# Altium PCB Holberton.PcbDoc (part 1 of 6) (continued)
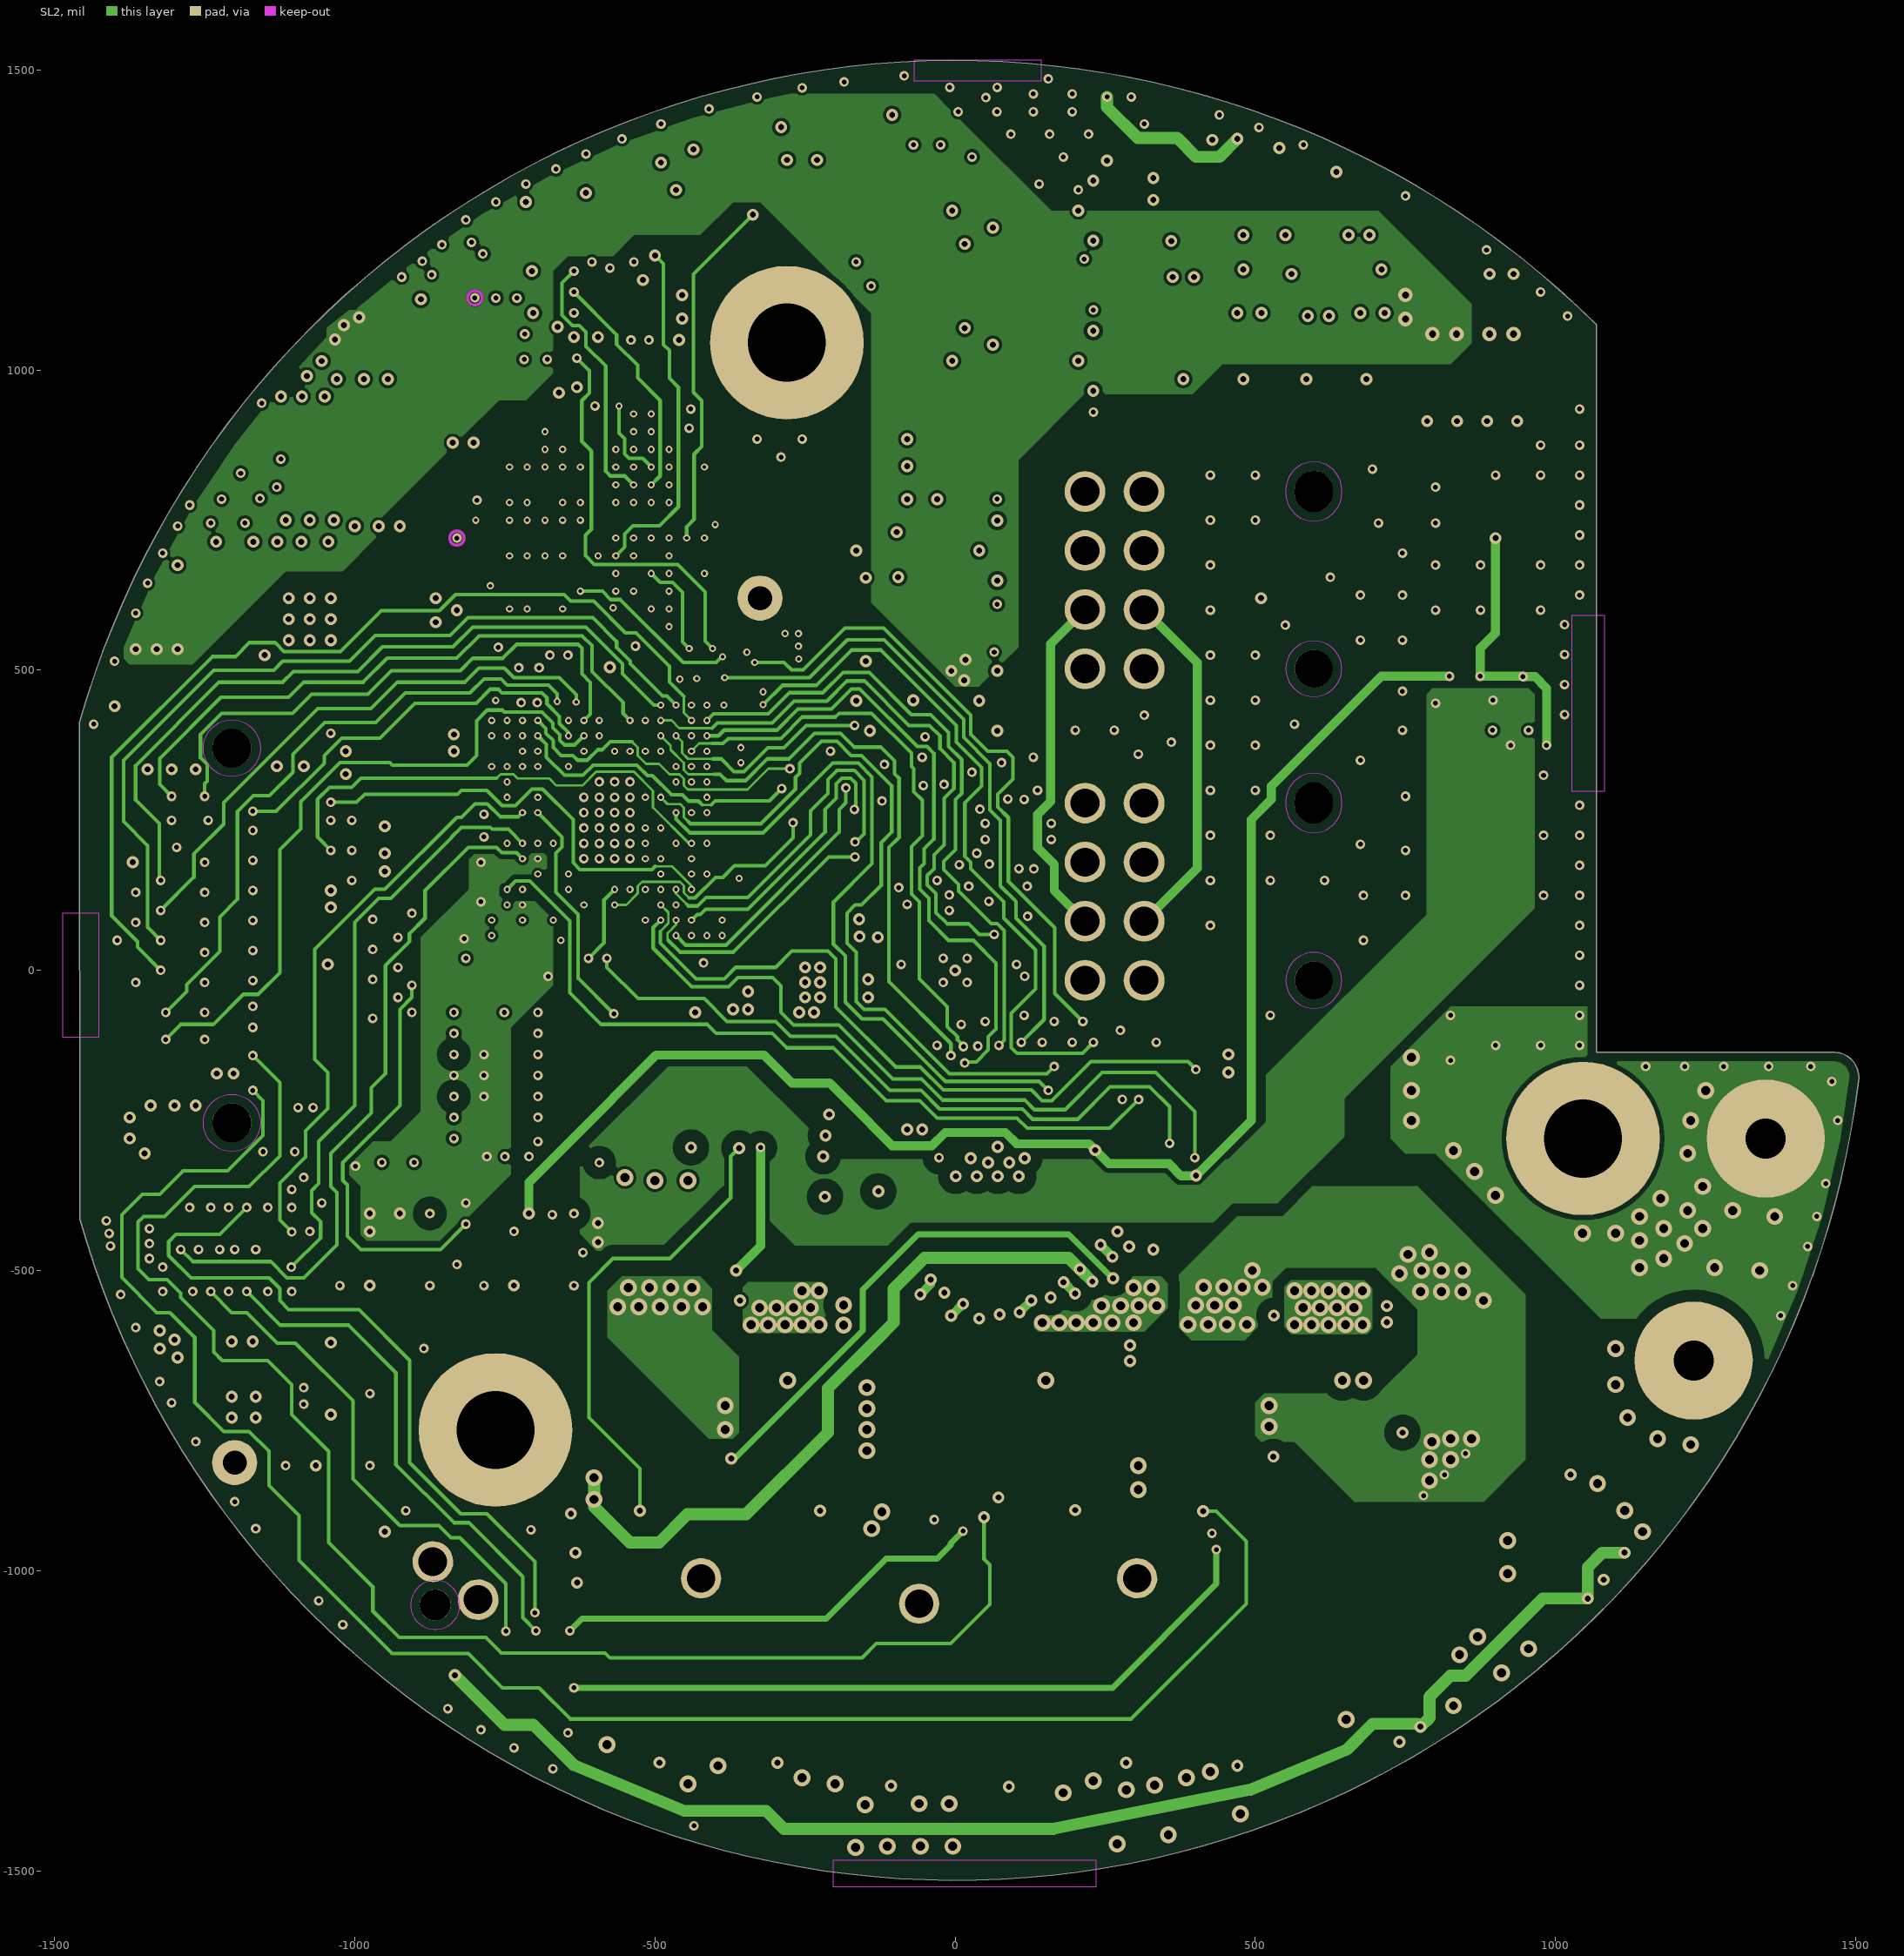
[diagram p4: SL2]
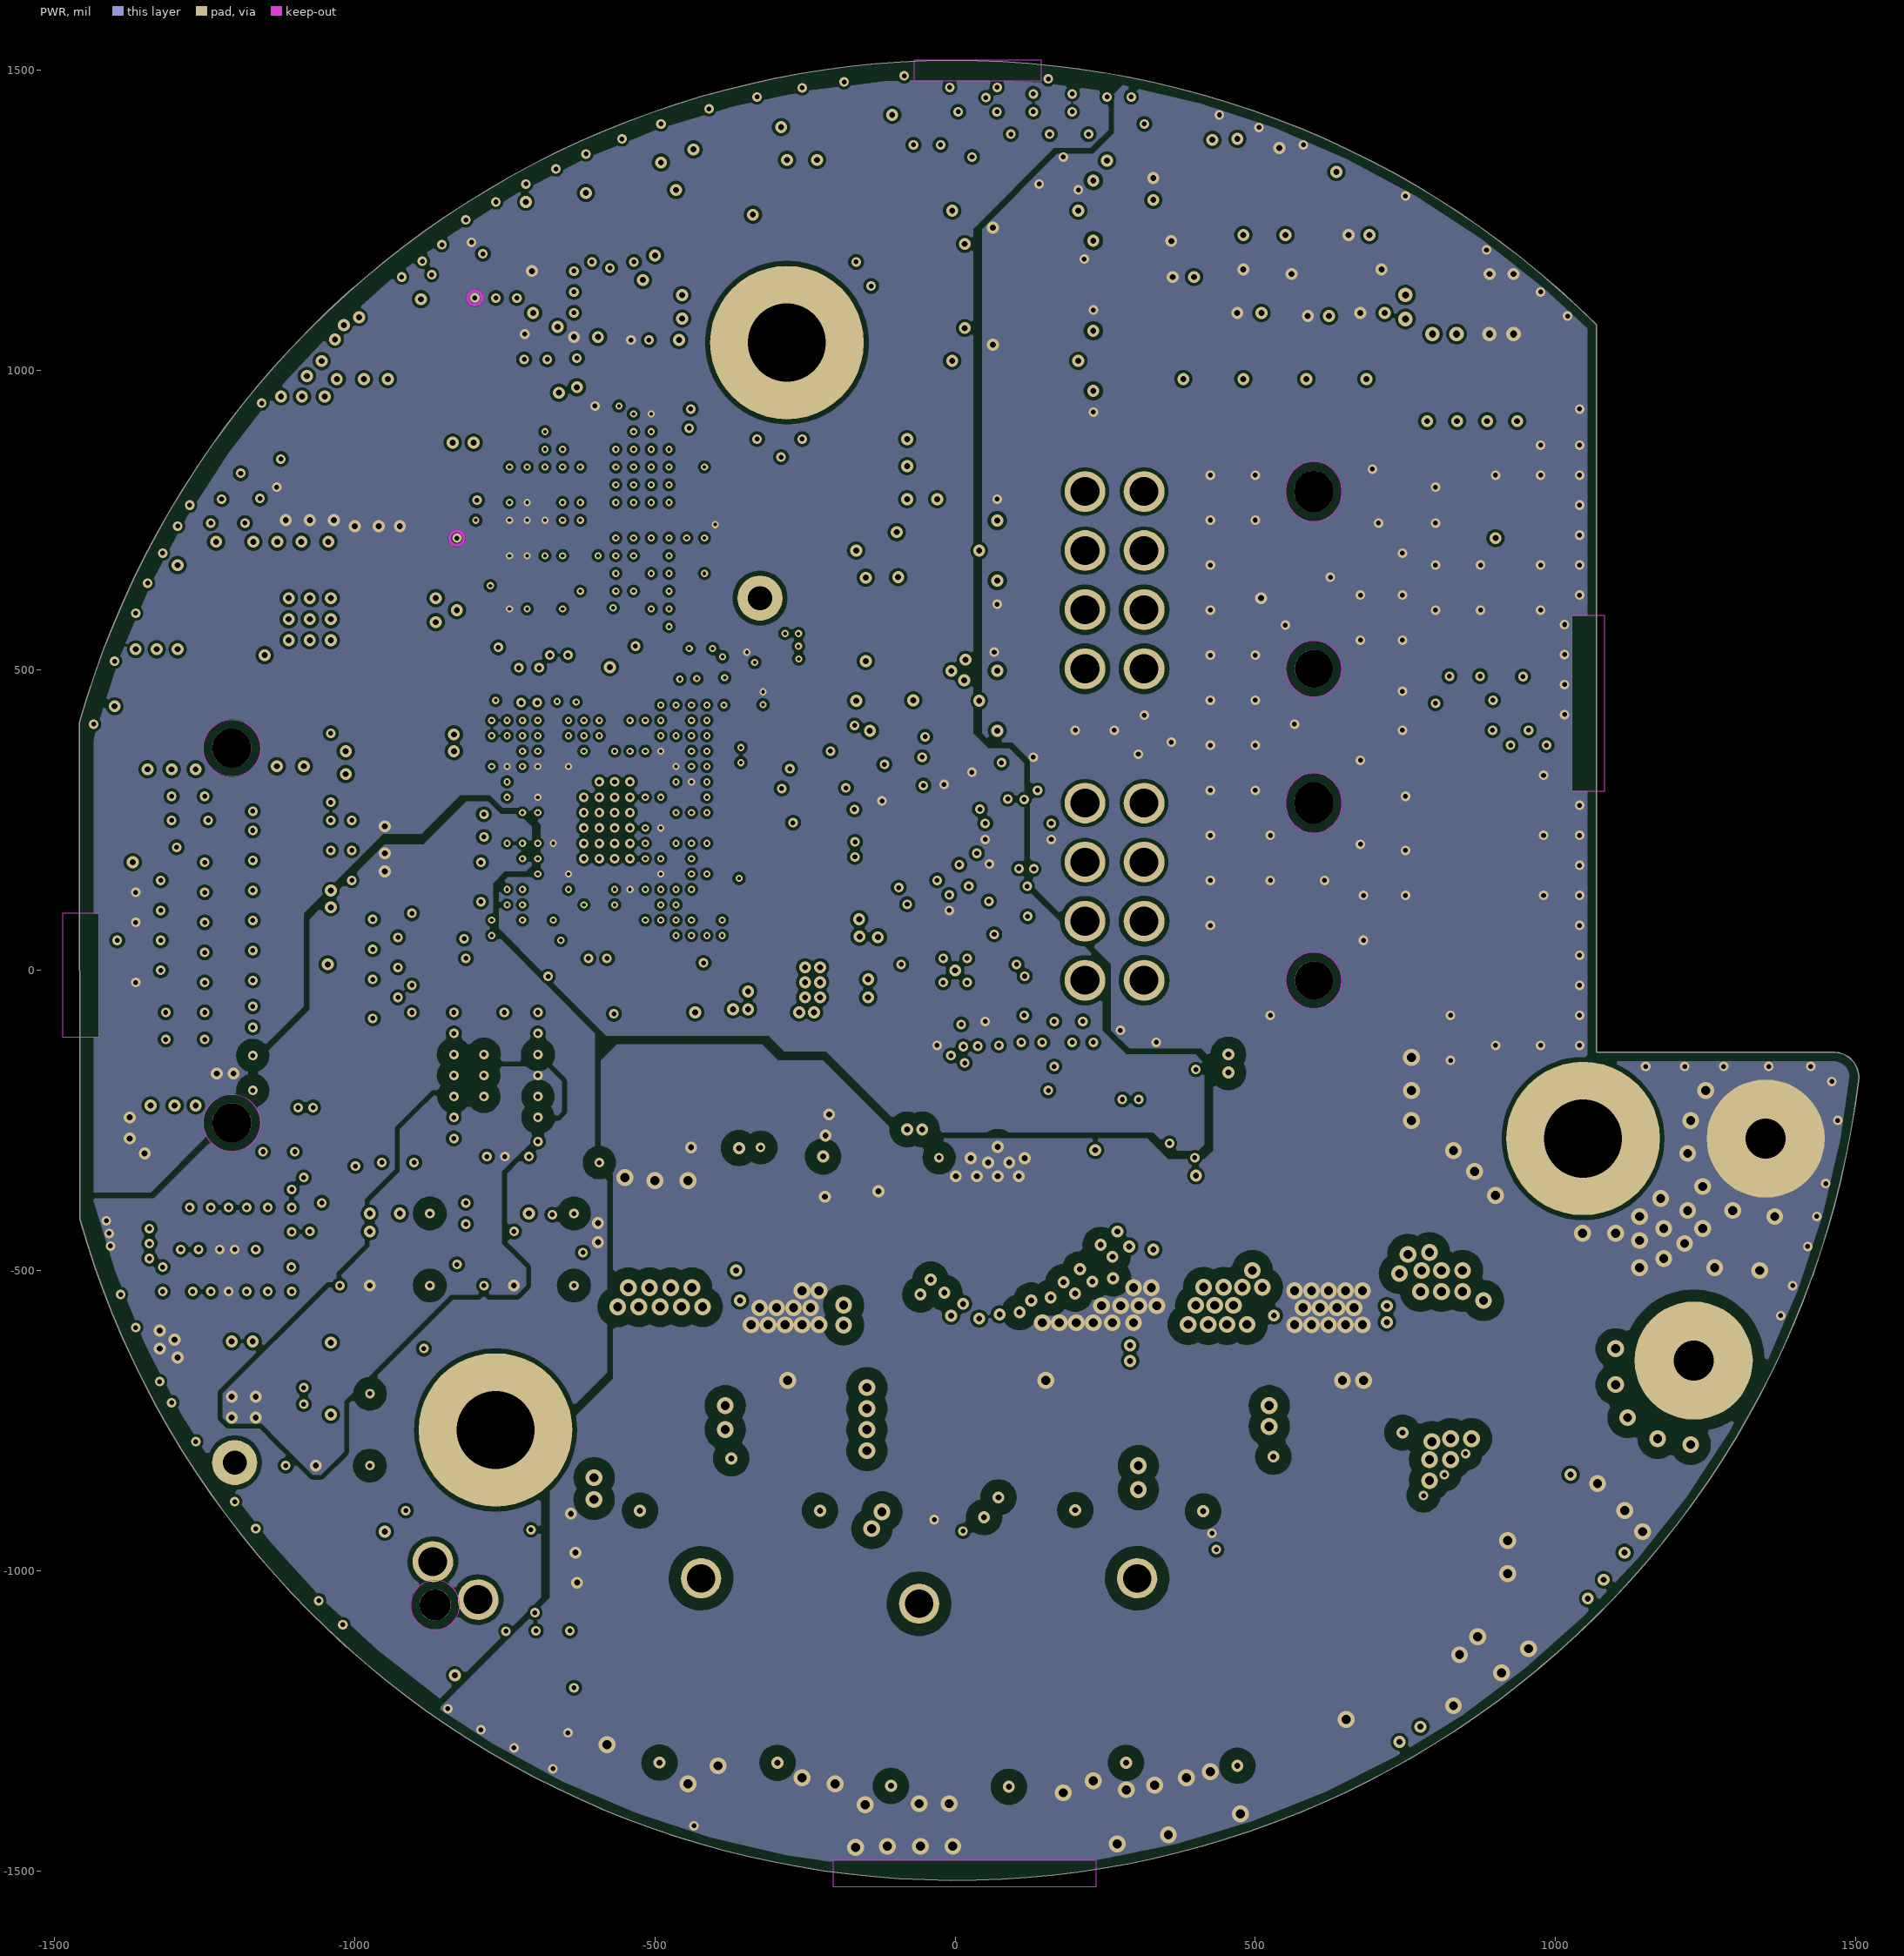
[diagram p5: PWR]
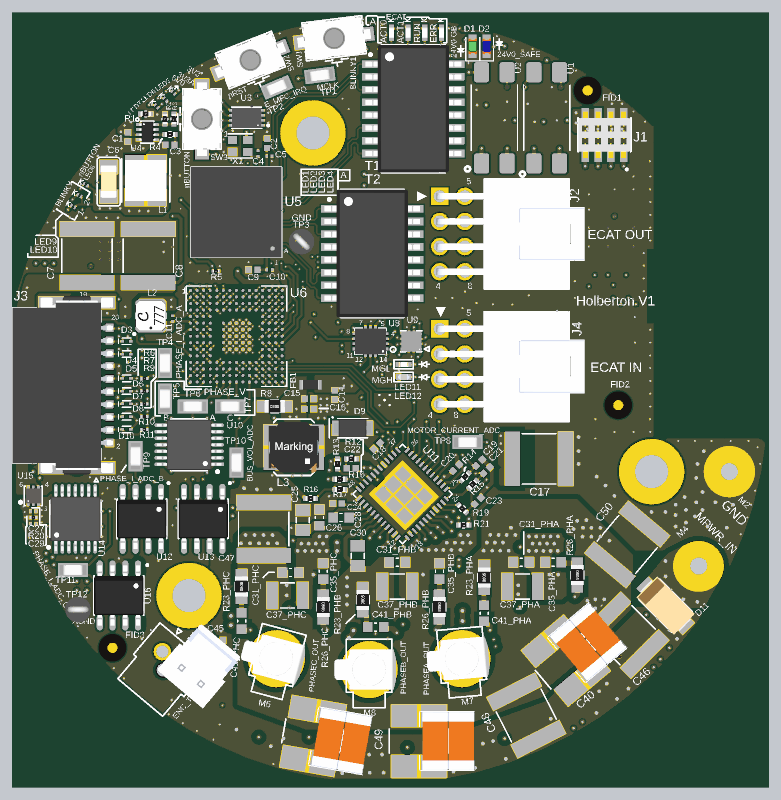
[diagram p11: 3D render of the assembled board from above, using the file's embedded part models]
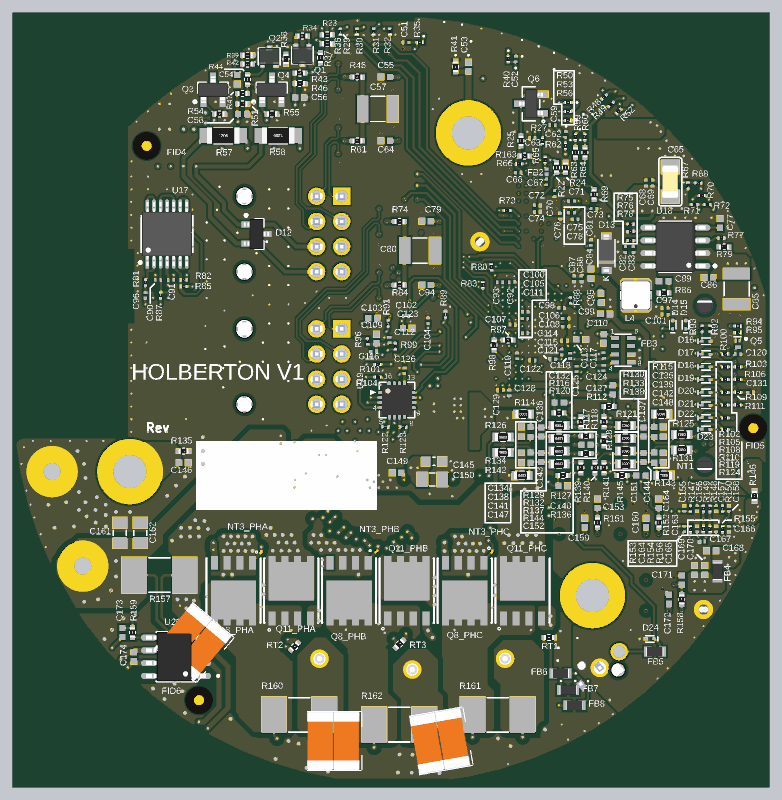
[diagram p12: 3D render of the assembled board from below, using the file's embedded part models]

## Layer stack, top to bottom
Top Solder: solder mask 0.8, Solder Resist, Dk 3.5
Top Layer: signal copper 1.8
Dielectric1: prepreg 4.58, 370HR, Dk 4.04
GND: signal copper 0.689
Dielectric2: core 5, 370HR, Dk 4.04
SL1: signal copper 0.689
Dielectric4: core 5, 370HR, Dk 4.04
SL2: signal copper 0.689
Dielectric6: core 5, 370HR, Dk 4.04
PWR: signal copper 0.689
Dielectric7: prepreg 4.58, 370HR, Dk 4.04
Bottom Layer: signal copper 1.8
Bottom Solder: solder mask 0.8, Solder Resist, Dk 3.5

## Board outline
-1457.99,-414.43 ccw(c0,0) 1505.02,-180 1505,-180 ccw(c1463.21,-178.21) 1465,-136.42 1067.73,-136.42 1067.73,1075.79 1067.79,1075.79 ccw(c0,0) -1458.36,413.12

## Design rules (kind name [scope] priority, off if disabled: settings)
AcuteAngle [All] p1: minimum=6.00000000000000E+0001 checktracksonly=FALSE
AssemblyTestPointUsage [All] p1: allowmultiple=TRUE
AssemblyTestpoint "AssemblyTestpoint - Gorilla" [All] p1: testpointundercomponent=FALSE minsize=22 maxsize=100 preferedsize=60 minholesize=0 maxholesize=40 preferedholesize=32 testpointgrid=5 usegrid=FALSE gridoriginx=503.07 gridoriginy=502.85 gridtolerance=0.01 allowsidetop=TRUE allowsidebottom=TRUE minspacing=5
AssemblyTestpoint "AssemblyTestpoint - Whizz" [All] p2 off: testpointundercomponent=FALSE minsize=26 maxsize=100 preferedsize=60 minholesize=0 maxholesize=40 preferedholesize=32 testpointgrid=5 usegrid=FALSE gridoriginx=503.07 gridoriginy=502.85 gridtolerance=0.01 allowsidetop=TRUE allowsidebottom=TRUE minspacing=5
BoardOutlineClearance BoardOutlineClearance_Silk [OnBottomSilkscreen or OnTopSilkscreen] p1: gap=1 ignorepadtopadclearanceinfootprint=FALSE
BoardOutlineClearance [All] p2: gap=15 ignorepadtopadclearanceinfootprint=FALSE except(5: Text-OutlineEdge Text-CavityEdge Text-CutoutEdge Text-SplitBarrior Text-SplitContinuation; 14: Via-OutlineEdge Via-CavityEdge Via-CutoutEdge Via-SplitBarrior Via-SplitContinuation)
Clearance Clearance_Reduce_ALL_LAYER [WithinRoom('ROOM_U11') or WithinRoom('HV_REDUCE_SP') or WithinRoom('REDUCE_SP_TOP1')] p1: gap=8 ignorepadtopadclearanceinfootprint=TRUE except(5: Arc-Arc Arc-Track Arc-Via Track-Track Track-Via; 6: Arc-SMDPad Track-SMDPad; 7: SMDPad-Via; 20: Via-Fill Via-Poly)
Clearance Clearance_keepout [IsKeepOut] p2: gap=0 ignorepadtopadclearanceinfootprint=TRUE except(2: SMDPad-SMDPad SMDPad-THPad SMDPad-Via SMDPad-Text)
Clearance Clearance_BGA [WithinRoom('BGA_U2') or WithinRoom('BGA_U5')] p3: gap=8 ignorepadtopadclearanceinfootprint=TRUE except(4.7: Track-Via Via-Fill Via-Poly Via-Region; 5: Arc-Arc Arc-Track Arc-Via Track-Track Track-SMDPad SMDPad-Via; 7: Fill-Hole Poly-Hole Region-Hole; 7.7: Track-Hole)
Clearance diff100 [InNetClass('Diff100Ohm')] p4: gap=6 ignorepadtopadclearanceinfootprint=TRUE
Clearance PHASEA [InNet('PHASEA') OR InNet('PHASEA_OUT') OR InNet('GHA') vs InNet('PHASEA') OR InNet('PHASEA_OUT') OR InNet('GHA')] p5: gap=8 ignorepadtopadclearanceinfootprint=FALSE
Clearance PHASEB [InNet('PHASEB') OR InNet('PHASEB_OUT') OR InNet('GHB') vs InNet('PHASEB') OR InNet('PHASEB_OUT') OR InNet('GHB')] p6: gap=8 ignorepadtopadclearanceinfootprint=FALSE
Clearance PHASEC [InNet('PHASEC') OR InNet('PHASEC_OUT') OR InNet('GHC') vs InNet('PHASEC') OR InNet('PHASEC_OUT') OR InNet('GHC')] p7: gap=8 ignorepadtopadclearanceinfootprint=FALSE
Clearance HV_EXCEPTION_TOP [WithinRoom('GateDriver') AND (InNetClass('HV') OR InNetClass('HVSW')) AND OnTopLayer] p8: gap=9 ignorepadtopadclearanceinfootprint=TRUE except(20: Arc-Region Track-Region SMDPad-Region THPad-Region Via-Region Fill-Region Poly-Region Region-Region)
Clearance HV_EXCEPTION_BOTTOM [OnBottomLayer and ( WithinRoom('REDUCE_SP_BOT1') or WithinRoom('REDUCE_SP_BOT2'))] p9: gap=9 ignorepadtopadclearanceinfootprint=TRUE except(5: Track-Track Track-SMDPad; 5.5: SMDPad-Via; 20: Arc-Region Track-Region SMDPad-Region THPad-Region Via-Region Fill-Region Poly-Region Region-Region)
Clearance HVSW [InNetClass('HVSW')] p10: gap=20 ignorepadtopadclearanceinfootprint=TRUE except(5: SMDPad-SMDPad SMDPad-Via; 8: Arc-Via Track-Via; 10: Arc-THPad Arc-Hole Track-THPad Track-Hole SMDPad-Hole)
Clearance HV [InNetClass('HV') vs NOT InNetClass('HV')] p11: gap=20 ignorepadtopadclearanceinfootprint=TRUE except(5: SMDPad-Via; 8: Arc-Via Track-Via; 10: Arc-Hole Track-Hole SMDPad-Hole)
Clearance Clearance_mid [onmid] p12: gap=8 ignorepadtopadclearanceinfootprint=TRUE except(5: Arc-Arc Arc-Track Arc-Via Track-Track Track-Via SMDPad-Via Via-Fill Via-Poly Via-Region; 6: Track-SMDPad)
Clearance [All] p13: gap=8 ignorepadtopadclearanceinfootprint=TRUE except(5: Arc-Arc Arc-Track Arc-Via Track-Track Track-Via SMDPad-Via Via-Fill Via-Poly Via-Region; 6: Track-SMDPad)
ComponentClearance NT [IsNetTieComponent] p1: gap=0 collisioncheckmode=3 verticalgap=0 showdistances=FALSE
ComponentClearance Holes [InComponent('M1') OR InComponent('M2') OR InComponent('M3') OR InComponent('M4') OR InComponent('M5') OR InComponent('M6') OR InComponent('M7') OR InComponent('M8') OR InComponent('C10') OR InComponent('C11')] p2: gap=10 collisioncheckmode=3 verticalgap=-1 showdistances=FALSE
ComponentClearance [All] p3: gap=10 collisioncheckmode=3 verticalgap=10 showdistances=FALSE
DiffPairsRouting 100OhmDiffPairsRouting [InDifferentialPairClass('100Ohm')] p1: maxlimit=8 minlimit=6.25 mostfreqgap=8 toplayer_mingap=8 toplayer_minwidth=4.75 toplayer_maxwidth=15.9 toplayer_prefwidth=15.9 midlayer1_mingap=8 midlayer1_minwidth=4.75 midlayer1_maxwidth=15.9 midlayer1_prefwidth=15.9 midlayer2_mingap=8 midlayer2_minwidth=4.75 midlayer2_maxwidth=15.9 midlayer2_prefwidth=15.9 midlayer3_maxgap=6.25 midlayer3_prefgap=6.25 midlayer3_minwidth=4.75 midlayer3_maxwidth=4.75 midlayer3_prefwidth=4.75 midlayer4_maxgap=6.25 midlayer4_prefgap=6.25 midlayer4_minwidth=4.75 midlayer4_maxwidth=4.75 midlayer4_prefwidth=4.75 bottomlayer_mingap=8 bottomlayer_minwidth=4.75 bottomlayer_maxwidth=15.9 bottomlayer_prefwidth=15.9 maxuncoupledlength=500
FabricationTestPointUsage [All] p1: valid=0 allowmultiple=TRUE
FabricationTestpoint [All] p1: side=3 testpointundercomponent=TRUE minsize=5 maxsize=100 preferedsize=60 minholesize=0 maxholesize=40 preferedholesize=32 testpointgrid=5 allowsidetop=TRUE allowsidebottom=TRUE usegrid=FALSE gridoriginx=503.07 gridoriginy=502.85 gridtolerance=0.01
FanoutControl Fanout_Small [(CompPinCount < 5)] p4: bgadir=Out bgaviamode=Centered fanoutstyle=Auto fanoutdirection=OutOnly viagrid=1 // Fanout_Small (Default Rule)
Height [All] p1: minheight=0 maxheight=3000 prefheight=500
HoleSize [All] p1: absolutevalues=TRUE maxlimit=500 minlimit=6 maxpercent=80.000 minpercent=20.000
MatchedLengths MatchedLengths_DP_100ohm [InDifferentialPairClass('100Ohm')] p1: tolerance=5 checknetsindiffpair=TRUE checkdiffpairvsdiffpair=FALSE checkxsignals=FALSE checkothers=FALSE
MatchedLengths MatchLengths_xSignals_ECAT [InxSignalClass('xSignals_ECAT_MatchLengthsClass')] p2: tolerance=50 checknetsindiffpair=FALSE checkdiffpairvsdiffpair=TRUE checkxsignals=TRUE checkothers=TRUE
MatchedLengths MatchLengths_xSignals_SPI_J1_U10 [InxSignalClass('xSignals_SPI_J1_U10_MatchLengthsClass')] p3: tolerance=50 checknetsindiffpair=FALSE checkdiffpairvsdiffpair=TRUE checkxsignals=TRUE checkothers=TRUE
MatchedLengths MatchLengths_xSignals_U112_J101,J102 [InxSignalClass('xSignals_U112_J101,J102_MatchLengthsClass')] p4: tolerance=50 checknetsindiffpair=FALSE checkdiffpairvsdiffpair=TRUE checkxsignals=TRUE checkothers=TRUE
MatchedLengths [All] p5: tolerance=100 checknetsindiffpair=TRUE checkdiffpairvsdiffpair=FALSE checkxsignals=FALSE checkothers=FALSE
MinimumAnnularRing [All] p1: minimumring=3.5
MinimumSolderMaskSliver MinimumSolderMaskSliver_Via [IsVia vs IsVia] p1: minsoldermaskwidth=0
MinimumSolderMaskSliver [All] p2: minsoldermaskwidth=3
PermittedLayers ThroughHole [IsDIP] p1: toplayerpermitted=TRUE bottomlayerpermitted=FALSE // Single sided through hole only
PermittedLayers [All] p2: toplayerpermitted=TRUE bottomlayerpermitted=TRUE
PlaneClearance HV_1 [InNetClass('HV')] p1: clearance=20
PlaneClearance HV_2 [InNetClass('HVSW')] p2: clearance=20
PlaneClearance [All] p3: clearance=10
PlaneConnect [All] p1: planeconnectstyle=Direct reliefexpansion=20 reliefentries=4 reliefconductorwidth=10 reliefairgap=10
PolygonConnect PolygonConnect_1 [HasFootprint('C0201') or HasFootprint('R0201') or HasFootprint('SOD1060X40') vs InNet('GND')] p1: thpad.connectstyle=Direct thpad.reliefconductorwidth=10 thpad.reliefentries=4 thpad.polygonreliefangle="90 Angle" thpad.airgapwidth=10 smdpad.connectstyle=Relief smdpad.reliefconductorwidth=10 smdpad.reliefentries=4 smdpad.polygonreliefangle="90 Angle" smdpad.airgapwidth=6 via.connectstyle=Direct via.reliefconductorwidth=10 via.reliefentries=4 via.polygonreliefangle="90 Angle" via.airgapwidth=10
PolygonConnect PolygonConnect_via [IsVia] p2: connectstyle=Direct reliefconductorwidth=10 reliefentries=4 polygonreliefangle="90 Angle" airgapwidth=10
PolygonConnect [All vs IsComponentPad] p3: connectstyle=Direct reliefconductorwidth=10 reliefentries=4 polygonreliefangle="90 Angle" airgapwidth=10
RoomDefinition ROOM_U11 [InComponentClass('Components Class6') vs False] p1: confinementstyle=ConfineIn formatcopy=TRUE lockcomponents=FALSE outline 280,-525 280,-464.95 1.84,-174.95 -84.45,-174.95 -127.65,-220 -300.31,-220 -425,-350 -425,-355 -175.61,-615 -65.31,-615 16.22,-530 78.57,-530 101.59,-554 101.59,-593 113.1,-605 142.21,-605 131.36,-593.69 131.36,-580.97 156.27,-555 212.86,-555 236.84,-530 265.61,-530
RoomDefinition HV_REDUCE_SP [InComponentClass('Components Class5') vs False] p2: confinementstyle=ConfineIn formatcopy=TRUE lockcomponents=FALSE outline -868,-122 -652,-122 -610,-80 -393,-80 -344,-129 -344,-293 -382,-331 -597,-331 -663,-265 -718,-265 -756,-227 -758,-229 -863,-229 -881,-211 -881,-135
RoomDefinition REDUCE_SP_TOP1 [All vs False] p3: confinementstyle=ConfineOut formatcopy=TRUE lockcomponents=FALSE outline -1202.28,-121.61 -1202.28,-215 -1115,-215 -1115,-121.91
RoomDefinition REDUCE_SP_BOT2 [InComponentClass('Components Class2') vs False] p4: confinementstyle=ConfineIn formatcopy=TRUE lockcomponents=FALSE outline -910.3,-279.28 -1090.3,-279.28 -1114.3,-255.28 -1114.3,-90.28 -1103.3,-79.28 -912.3,-79.28 -900.3,-91.28 -900.3,-269.28
RoomDefinition BGA_U5 [InComponentClass('Room Definition2') vs False] p5: confinementstyle=ConfineIn formatcopy=TRUE lockcomponents=FALSE outline -750,565 -750,905 -390,905 -390,565
RoomDefinition BGA_U2 [InComponentClass('Room Definition1') vs False] p6: confinementstyle=ConfineIn formatcopy=TRUE lockcomponents=FALSE outline -770,50 -770,449 -374,449 -374,50
RoutingLayers [All] p1: top layer_v5=TRUE mid layer 1_v5=TRUE mid layer 2_v5=TRUE mid layer 3_v5=FALSE mid layer 4_v5=FALSE bottom layer_v5=TRUE
RoutingVias RoutingVias_BGA [WithinRoom('BGA_U2')] p1: holewidth=28 width=50 viastyle="Through Hole" minholewidth=6 minwidth=12 maxholewidth=28 maxwidth=50
RoutingVias [All] p2: holewidth=10 width=20 viastyle="Through Hole" minholewidth=8 minwidth=16 maxholewidth=50 maxwidth=100
SMDEntry [All] p1: side=TRUE corner=TRUE anyangle=TRUE
SMDToCorner [All] p1: distance=100000
SilkToSilkClearance [All] p1: silktosilkclearance=0
SilkToSolderMaskClearance [IsPad] p1: minsilkscreentomaskgap=1 clearancetoexposedcopper=FALSE
SolderMaskExpansion SolderMaskExpansion_via [IsVia] p1: expansion=4 istentingtop=TRUE
SolderMaskExpansion [All] p2: expansion=0 istentingtop=FALSE
ViasUnderSMD [All] p1: allowed=FALSE
Width diff_1 [InNetClass('Diff100Ohm')] p1: maxlimit=100 minlimit=6 preferedwidth=10
Width [All] p2: maxlimit=300 minlimit=4 preferedwidth=8 midlayer3_minwidth=8 midlayer4_minwidth=8 minimp=50.000000 maximp=50.000000 favimp=50.000000
15 further rules are at their usual default settings.
